# Altium PCB PCB_15122020_01CA.PcbDoc (part 2 of 5) (continued)
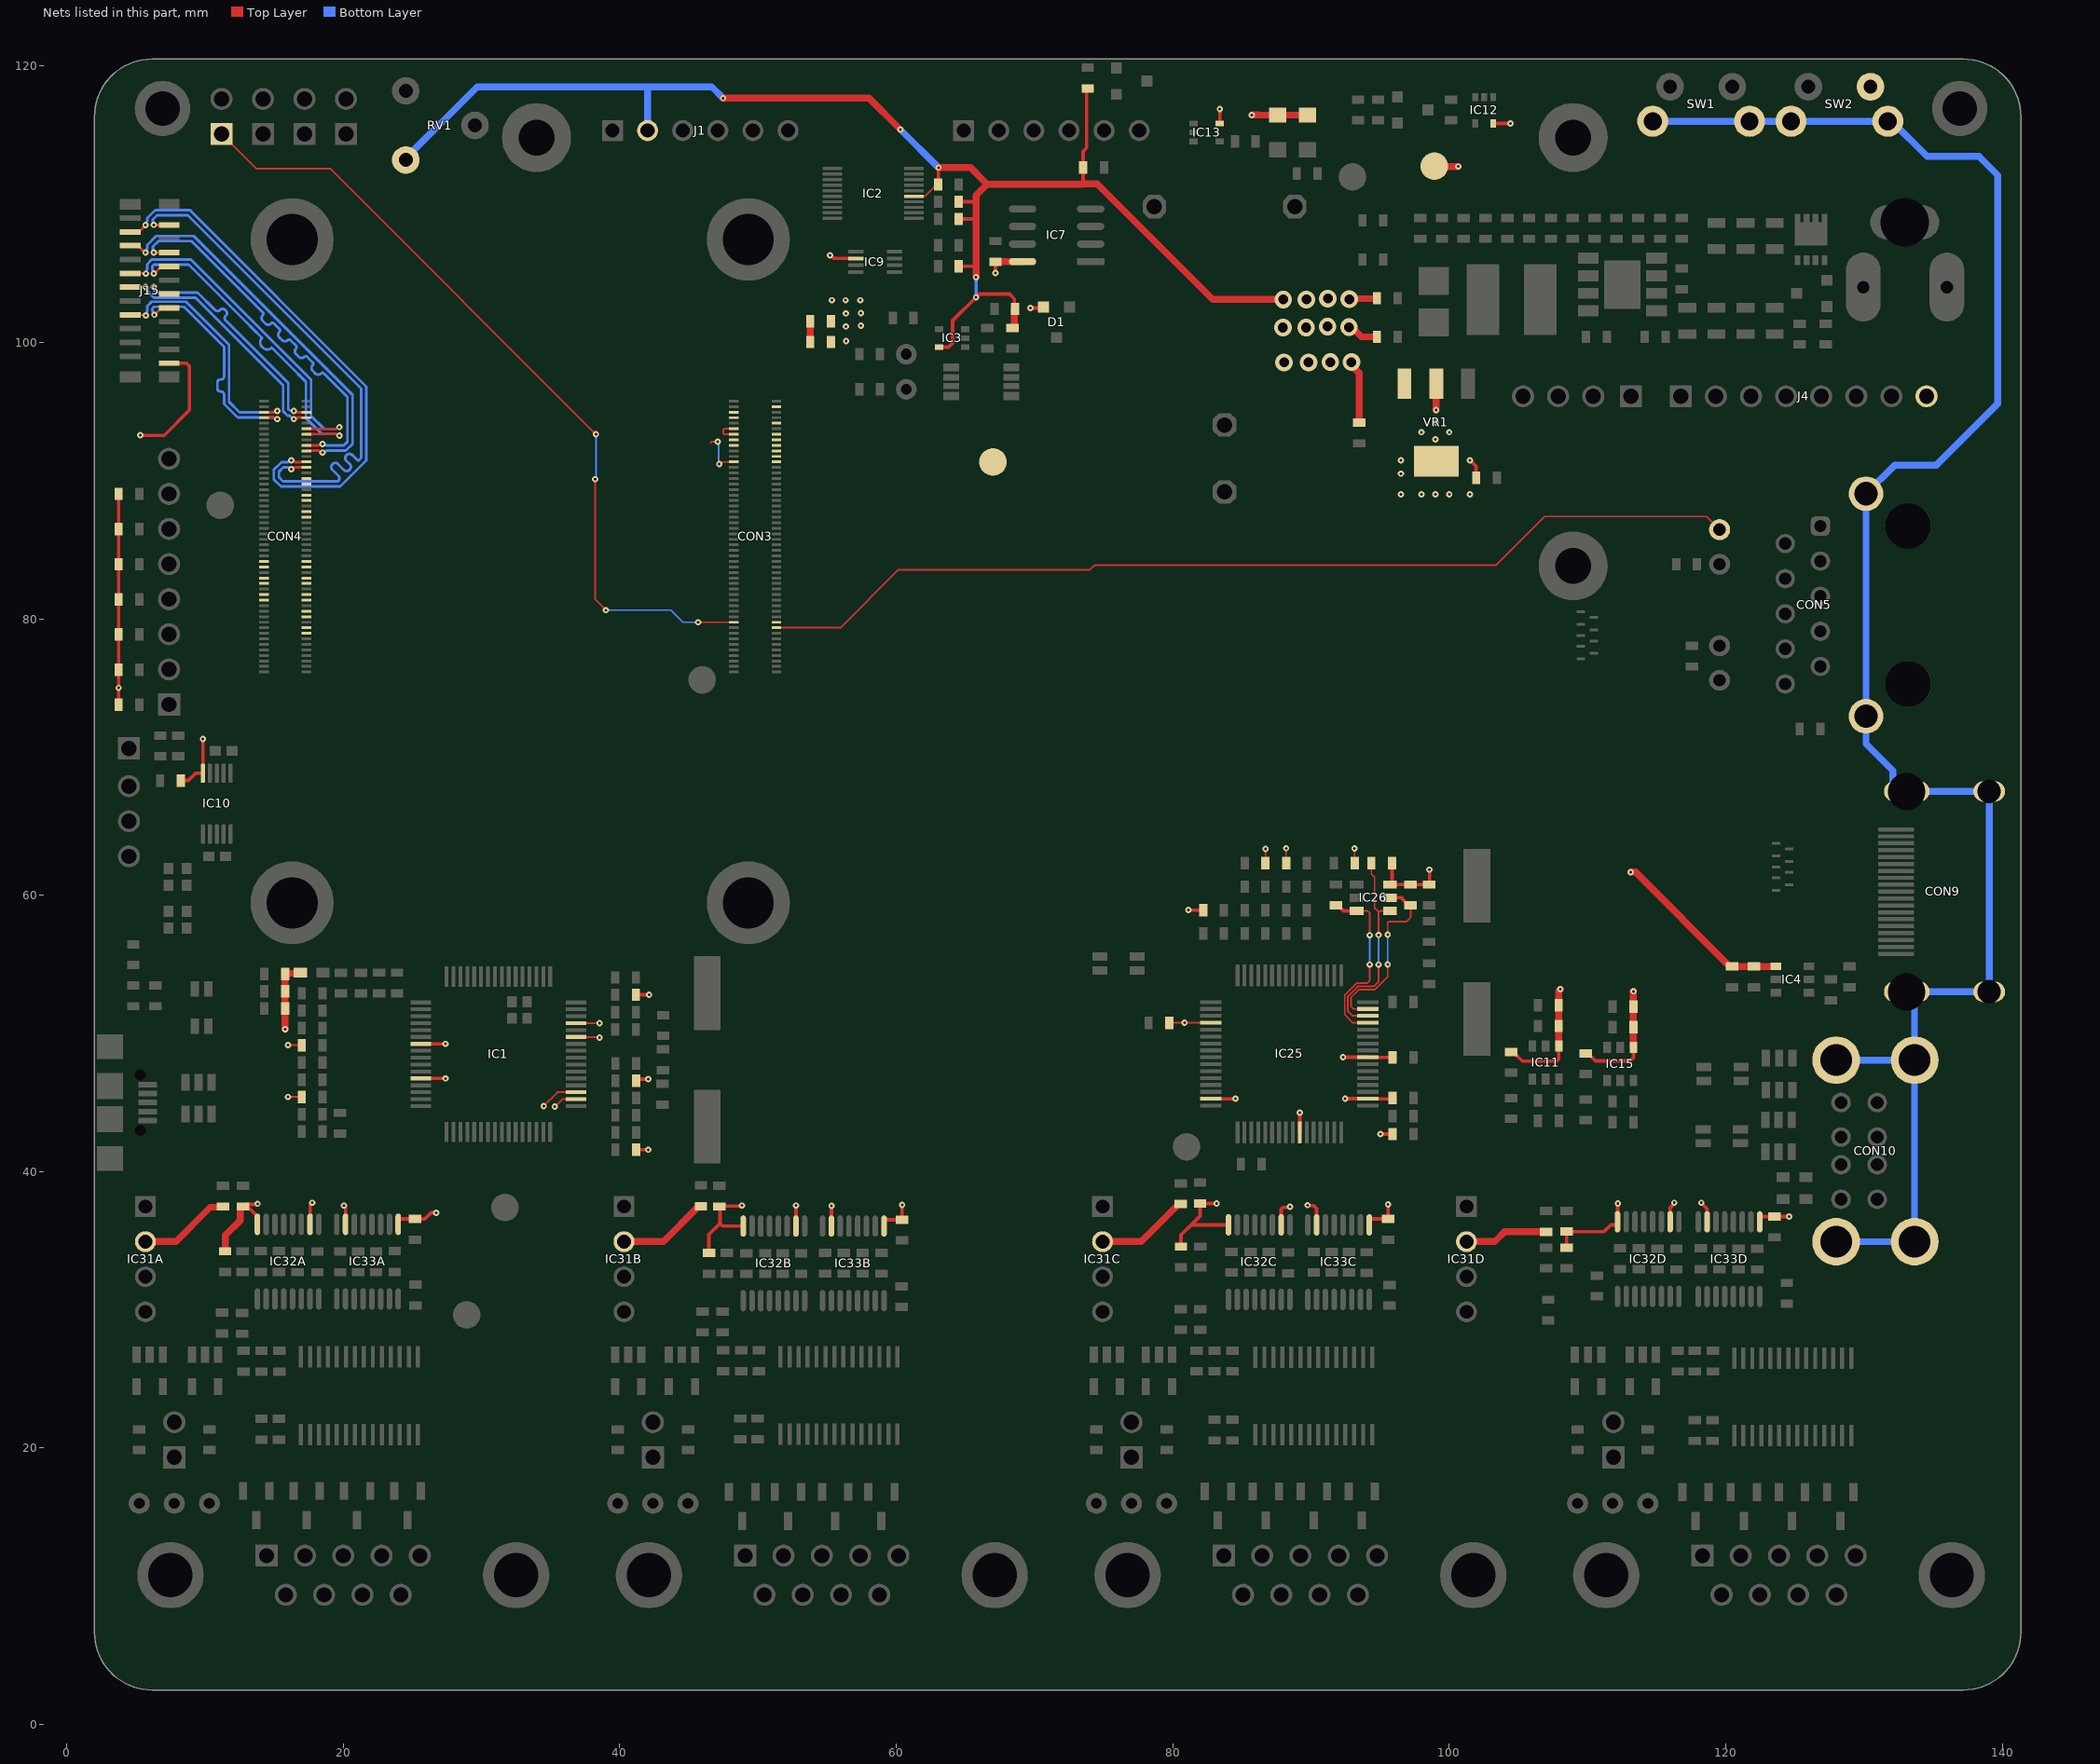
[diagram p4: the nets of this part, all layers, seen from the top]
## Part data (continued)
IC26: "MICROCHIP - 93LC46BT-I/OT - EEPROM, Microwire, 1 Kbit, 64 x 16bit, Serial Microwire, 3 MHz, SOT-23, 6 Pins", Case/Package=SOT-23, Frequency=2MHz, Manufacturer=Microchip, Max Operating Temperature=85°C, Max Supply Voltage=5.5V, Min Operating Temperature=-40°C, Min Supply Voltage=2.5V, Nominal Supply Current=2mA, Package Quantity=3000, Supplier Part Number 1=93LC46BT-I/OTCT-ND, Access Time=250ns, Category="Integrated Circuits (ICs) - Memory", ComponentLink1Description=https://datasheet.ciiva.com/1903/21749j-1903248.pdf?src-supplier=Digi-Key, ComponentLink1URL=https://datasheet.ciiva.com/1903/21749j-1903248.pdf?src-supplier=Digi-Key, ComponentLink2Description=https://datasheet.ciiva.com/41455/001085450-da-01-en-ic-eeprom-1kb-93lc46bt-i-ot-sot-23-6-mcp-41455225.pdf?src-supplier=Conrad, ComponentLink2URL=https://datasheet.ciiva.com/41455/001085450-da-01-en-ic-eeprom-1kb-93lc46bt-i-ot-sot-23-6-mcp-41455225.pdf?src-supplier=Conrad, ComponentLink3Description=https://datasheet.ciiva.com/1155/1688094-1155913.pdf?src-supplier=Element14, ComponentLink3URL=https://datasheet.ciiva.com/1155/1688094-1155913.pdf?src-supplier=Element14, ComponentLink4Description=https://datasheet.ciiva.com/22715/664718-22715194.pdf?src-supplier=Element14, ComponentLink4URL=https://datasheet.ciiva.com/22715/664718-22715194.pdf?src-supplier=Element14, ComponentLink5Description=https://datasheet.ciiva.com/9280/21749j-9280764.pdf?src-supplier=Avnet, ComponentLink5URL=https://datasheet.ciiva.com/9280/21749j-9280764.pdf?src-supplier=Avnet, ComponentLink6Description=https://datasheet.ciiva.com/14134/93lc46-abc-eng-tds-14134797.pdf?src-supplier=Distrelec, ComponentLink6URL=https://datasheet.ciiva.com/14134/93lc46-abc-eng-tds-14134797.pdf?src-supplier=Distrelec, ComponentLink7Description=https://datasheet.ciiva.com/16387/filehandler-aspxddocname-en550232-16387837.pdf?src-supplier=Future+Electronics, ComponentLink7URL=https://datasheet.ciiva.com/16387/filehandler-aspxddocname-en550232-16387837.pdf?src-supplier=Future+Electronics, Contact Plating=Tin,Matte, Density=1Kb, Height=1.3mm, Interface=Serial, Lead Free="Lead Free", Length=3.1mm, Manufacturer Part Number=93LC46BT-I/OT, Max Frequency=2MHz, Memory Size=1Kb, Memory Type=EEPROM, Mount="Surface Mount", Number of Pins=6, Packaging="Tape and Reel", Pricing 1="1 = 0,20000, 100 = 0,19000 (USD)", Radiation Hardening=No, REACH SVHC="No SVHC", RoHS=Yes, Stock 1=3299, Supplier 1=Digi-Key, Termination=SMD/SMT, Width=1.8mm
IC29A IC29B IC29C IC29D IC30A IC30B IC30C IC30D: "Inverter 1-Element CMOS 5-Pin SOT-23 T/R", Case/Package=SOT-23, High Level Output Current=-32mA, Low Level Output Current=32mA, Manufacturer="Texas Instruments", Max Operating Temperature=125°C, Max Supply Voltage=5.5V, Min Operating Temperature=-40°C, Min Supply Voltage=1.65V, Package Quantity=1, Quiescent Current=10uA, Supplier Part Number 1=296-11599-1-ND, Category="Integrated Circuits (ICs)", ComponentLink1Description=https://datasheet.ciiva.com/1864/sn74lvc1g04-1864160.pdf?src-supplier=Digi-Key, ComponentLink1URL=https://datasheet.ciiva.com/1864/sn74lvc1g04-1864160.pdf?src-supplier=Digi-Key, ComponentLink2Description=https://datasheet.ciiva.com/7783/1700972-7783424.pdf?src-supplier=Element14, ComponentLink2URL=https://datasheet.ciiva.com/7783/1700972-7783424.pdf?src-supplier=Element14, ComponentLink3Description=https://datasheet.ciiva.com/36526/2014932-36526251.pdf?src-supplier=Jameco, ComponentLink3URL=https://datasheet.ciiva.com/36526/2014932-36526251.pdf?src-supplier=Jameco, ComponentLink4Description=https://datasheet.ciiva.com/14290/sn74lvc1g04-14290295.pdf?src-supplier=Avnet, ComponentLink4URL=https://datasheet.ciiva.com/14290/sn74lvc1g04-14290295.pdf?src-supplier=Avnet, ComponentLink5Description=https://datasheet.ciiva.com/1864/sn74lvc1g04-1864158.pdf?src-supplier=Digi-Key, ComponentLink5URL=https://datasheet.ciiva.com/1864/sn74lvc1g04-1864158.pdf?src-supplier=Digi-Key, Contact Plating=Tin,Matte, Height=1.3mm, Lead Free="Lead Free", Length=3.05mm, Logic Function=Inverter,Inverting,Buffer, Manufacturer Part Number=SN74LVC1G04DBVR, Max Output Current=32mA, Mount="Surface Mount", Number of Bits=1, Number of Circuits=1, Number of Elements=1, Number of Gates=1, Number of Inputs=1, Number of Pins=5, Output Current=32mA, Packaging="Tape and Reel", Pricing 1="1 = 0,30000, 10 = 0,24700, 25 = 0,20720, 100 = 0,13110, 250 = 0,10120, 500 = 0,08624, 1000 = 0,05865 (USD)", Propagation Delay=3.7ns, Radiation Hardening=No, REACH SVHC="No SVHC", RoHS=Yes, RoHS Compliant=Yes, Schmitt Trigger Input=No, Stock 1=132873, Supplier 1=Digi-Key, Termination=SMD/SMT, Turn-On Delay Time=7.5ns, Weight=0.000557oz, Width=1.75mm
IC31A IC31B IC31C IC31D: "RECOM POWER - RFM-0505S - Isolated Board Mount DC/DC Converter, ITE & General, 1 Output, 1 W, 5 V, 200 mA", Manufacturer=Recom, Max Output Voltage=5V, Supplier Part Number 1=945-3159-ND, Category="Power Supplies - Board Mount DC-DC Converters", ComponentLink1Description=http://www.farnell.com/datasheets/2787866.pdf?src-supplier=Farnell, ComponentLink1URL=http://www.farnell.com/datasheets/2787866.pdf?src-supplier=Farnell, ComponentLink2Description=https://www.recom-power.com/pdf/Econoline/RFM.pdf?src-supplier=Digi-Key, ComponentLink2URL=https://www.recom-power.com/pdf/Econoline/RFM.pdf?src-supplier=Digi-Key, ComponentLink3Description=http://www.farnell.com/datasheets/2787866.pdf?src-supplier=Newark, ComponentLink3URL=http://www.farnell.com/datasheets/2787866.pdf?src-supplier=Newark, Height=10mm, Length=11.5mm, Manufacturer Part Number=RFM-0505S, Pricing 1="1 = 1,40000, 5 = 1,38000, 10 = 1,36000, 25 = 1,32000, 50 = 1,28000, 100 = 1,24000, 250 = 1,20000, 500 = 1,12000 (USD)", RoHS=No, Stock 1=13682, Supplier 1=Digi-Key, Weight=1.4g, Width=6mm
IC32A IC32B IC32C IC32D: "Digital Isolator CMOS 4-CH 150Mbps Automotive 16-Pin QSOP T/R", Case/Package=QSOP, Isolated Power=No, Manufacturer="Silicon Labs", Max Operating Temperature=125°C, Min Operating Temperature=-40°C, Package Quantity=2500, Supplier Part Number 1=SI8645BA-B-IURCT-ND, Category=Isolators, Channel Type=Unidirectional, ComponentLink1Description=https://datasheet.ciiva.com/15272/si864x-15272845.pdf?src-supplier=Arrow+Europe, ComponentLink1URL=https://datasheet.ciiva.com/15272/si864x-15272845.pdf?src-supplier=Arrow+Europe, ComponentLink2Description=https://datasheet.ciiva.com/8124/si864x-8124729.pdf?src-supplier=Avnet, ComponentLink2URL=https://datasheet.ciiva.com/8124/si864x-8124729.pdf?src-supplier=Avnet, Data Rate=150Mbps, Manufacturer Part Number=SI8645BA-B-IUR, Number of Channels=4, Number of Pins=16, Packaging="Tape and Reel", Pricing 1="1 = 1,64000, 25 = 1,57480, 100 = 1,55400 (USD)", Propagation Delay=13ns, Pulse Width Distortion (PWD)=4.5ns, RoHS=Yes, RoHS Compliant=Yes, Series=Si8645BA, Stock 1=4650, Supplier 1=Digi-Key, Type="General Purpose", Weight=0.002931oz
IC33A IC33B IC33C IC33D: "General Purpose tal Isolator 1000Vrms 4 Channel 150Mbps 35kV/µs CMTI 16-SSOP (0.154 , 3.90mm Width)", Case/Package=SSOP, Isolated Power=No, Manufacturer="Silicon Labs", Max Operating Temperature=125°C, Min Operating Temperature=-40°C, Supplier Part Number 1=336-4939-1-ND, Category=Isolators, Channel Type=Unidirectional, ComponentLink1Description=https://datasheet.ciiva.com/48508/si864x-48508591.pdf?src-supplier=Avnet, ComponentLink1URL=https://datasheet.ciiva.com/48508/si864x-48508591.pdf?src-supplier=Avnet, Data Rate=150Mbps, Manufacturer Part Number=SI8641BA-C-IUR, Number of Channels=4, Number of Pins=16, Packaging="Tape and Reel", Pricing 1="1 = 1,64000, 25 = 1,57480, 100 = 1,55400 (USD)", Propagation Delay=13ns, Pulse Width Distortion (PWD)=4.5ns, RoHS=Yes, Stock 1=611, Supplier 1=Digi-Key, Type="General Purpose"
J1 J2: "WR-PHD Socket Header, THT, pitch 2.54mm, Single Row, Vertical, 6pin", Contact Resistance=20mOhm, Operating Temperature="-40 to +125degC", Rated Current=3A, Withstanding Voltage=500VAC, Working Voltage=250VAC, Category="Connectors, Interconnects Rectangular Connectors", ComponentLink1Description=Manufacturer, ComponentLink1URL=http://www.we-online.de, ComponentLink2Description=Datasheet, ComponentLink2URL=https://katalog.we-online.de/em/datasheet/6130xx11821.pdf, Gender=Female, Mounting Technology=THT, Orientation=Vertical, Packaging=Tray, Part Number=61300611821, Pin Number=6, Pitch=2.54mm, Published Date="June 2019", Publisher="Wurth Elektronik", Row Number=Single
J3 J4: "WR-PHD Pin Header, THT, pitch 2.54mm, Single Row, Vertical, 8pin", Color=Black, Contact Resistance=20mOhm, Manufacturer="Wurth Electronics", Operating Temperature="-40 to +105degC", Rated Current=3A, Supplier Part Number 1=732-5321-ND, Withstanding Voltage=500VAC, Working Voltage=250VAC, Category="Connectors, Interconnects Rectangular Connectors", ComponentLink1Description=Manufacturer, ComponentLink1URL=http://www.we-online.de, ComponentLink2Description=Datasheet, ComponentLink2URL=https://katalog.we-online.de/em/datasheet/6130xx11121.pdf, ComponentLink3Description=http://www.farnell.com/cad/1737268.pdf?src-supplier=Element14, ComponentLink3URL=http://www.farnell.com/cad/1737268.pdf?src-supplier=Element14, ComponentLink4Description=https://katalog.we-online.de/em/datasheet/6130xx11121.pdf?src-supplier=Digi-Key, ComponentLink4URL=https://katalog.we-online.de/em/datasheet/6130xx11121.pdf?src-supplier=Digi-Key, Connector Type="Male Pin", Contact Material=Copper, Contact Mating Length=0.236inch, Contact Plating=Gold, Gender=Male, Manufacturer Part Number=61300811121, Mount="Through Hole", Mounting Technology=THT, Number of Contacts=8, Number of Positions=8, Number of Rows=1, Orientation=Vertical, Packaging=Bag, Part Number=61300811121, Pin Number=8, Pitch=2.54mm, Pricing 1="1 = 0,37000, 10 = 0,31500, 25 = 0,26320, 50 = 0,21900, 100 = 0,19900, 1000 = 0,18100 (USD)", Published Date="June 2019", Publisher="Wurth Elektronik", REACH SVHC=Unknown, RoHS=Yes, Row Number=Single, Stock 1=15970, Supplier 1=Digi-Key, Termination=Solder
J5 J6: "WR-PHD Pin Header, THT, pitch 2.54mm, Single Row, Vertical, 4pin", Color=Black, Contact Resistance=20mOhm, Manufacturer="Wurth Electronics", Operating Temperature="-40 to +105degC", Rated Current=3A, Supplier Part Number 1=710-61300411121, Withstanding Voltage=500VAC, Working Voltage=250VAC, Category="Connectors, Interconnects Rectangular Connectors", ComponentLink1Description=Manufacturer, ComponentLink1URL=http://www.we-online.de, ComponentLink2Description=Datasheet, ComponentLink2URL=https://katalog.we-online.de/em/datasheet/6130xx11121.pdf, ComponentLink3Description=http://www.farnell.com/cad/1737268.pdf?src-supplier=Element14, ComponentLink3URL=http://www.farnell.com/cad/1737268.pdf?src-supplier=Element14, ComponentLink4Description=https://katalog.we-online.de/em/datasheet/6130xx11121.pdf?src-supplier=Digi-Key, ComponentLink4URL=https://katalog.we-online.de/em/datasheet/6130xx11121.pdf?src-supplier=Digi-Key, Connector Type="Male Pin", Contact Material=Copper, Contact Mating Length=0.236inch, Contact Plating=Gold, Gender=Male, Lead Free="Lead Free", Manufacturer Part Number=61300411121, Mount="Through Hole", Mounting Technology=THT, Number of Contacts=4, Number of Positions=4, Number of Rows=1, Orientation=Vertical, Packaging=Bag, Part Number=61300411121, Pin Number=4, Pitch=2.54mm, Pricing 1="1 = 0,18000, 10 = 0,15300, 25 = 0,12700, 50 = 0,10600, 100 = 0,09600, 250 = 0,09600 (USD)", Published Date="June 2019", Publisher="Wurth Elektronik", REACH SVHC=Unknown, RoHS=Yes, Row Number=Single, Stock 1=12652, Supplier 1=Mouser, Termination=Solder
J12A J12B J12C J12D J16 J17 J18 J19: "WR-PHD Pin Header, THT, pitch 2.54mm, Single Row, Vertical, 2pin", Color=Black, Contact Resistance=20mOhm, Current Rating=3A, Manufacturer="Wurth Electronics", Max Operating Temperature=125°C, Min Operating Temperature=-40°C, Operating Temperature="-40 to +105degC", Supplier Part Number 1=732-5315-ND, Voltage Rating=250V, Withstanding Voltage=500VAC, Working Voltage=250VAC, Category="Connectors, Interconnects Rectangular Connectors", ComponentLink1Description=Manufacturer, ComponentLink1URL=http://www.we-online.de, ComponentLink2Description=Datasheet, ComponentLink2URL=https://katalog.we-online.de/em/datasheet/6130xx11121.pdf, ComponentLink3Description=https://datasheet.ciiva.com/13619/6130xx11121-48870-13619345.pdf?src-supplier=Mouser, ComponentLink3URL=https://datasheet.ciiva.com/13619/6130xx11121-48870-13619345.pdf?src-supplier=Mouser, Connector Type="Male Pin", Contact Gender=Male, Contact Material="Copper Alloy,Copper", Contact Mating Length=0.236inch, Contact Plating=Gold, Gender=Male, Housing Material=PBT, Lead Free="Lead Free", Manufacturer Part Number=61300211121, Mount="Through Hole", Mounting Technology=THT, Number of Contacts=2, Number of Positions=2, Number of Rows=1, Orientation=Vertical, Packaging=Bag, Part Number=61300211121, Pin Number=2, Pitch=2.54mm, Pricing 1="1 = 0,13000, 10 = 0,10600, 25 = 0,08800, 50 = 0,07400, 100 = 0,06700, 1000 = 0,06100 (USD)", Published Date="June 2019", Publisher="Wurth Elektronik", Rated Current=3A, REACH SVHC=Unknown, RoHS=Yes, Row Number=Single, Stock 1=150487, Supplier 1=Digi-Key, Termination="Through Hole"
J15: "WR-FPC SMT ZIF Vertical, pitch 0.5mm, 22p", Contact Resistance=20mOhm, Manufacturer="Wurth Elektronik", Operating Temperature="-25 to +85degC", Rated Current=0.5A, Working Voltage=50VAC, Category="WR-FPC SMT ZIF Vertical, pitch 0.5mm, 22p", ComponentLink1Description=Manufacturer, ComponentLink1URL=http://www.we-online.de, ComponentLink2Description=Datasheet, ComponentLink2URL=https://katalog.we-online.com/em/datasheet/687322124422.pdf, Length=17.4mm, Mounting Technology=SMT, Packaging="Tape and Reel", Part Number=687322124422, Pin Number=22, Pitch=0.5mm, Published Date="November 2019", Publisher="Wurth Elektronik", Type=Vertical
L1: "BOURNS - SRN6045TA-3R3Y - Power Inductor (SMD), 3.3 µH, 5 A, Semishielded, 7.8 A, SRN6045TA Series, 6mm x 6mm x 4.2mm", DC Resistance (DCR)=21mR, Inductance=3.3uH, Inductance Tolerance=30%, Manufacturer=Bourns, RMS Current (Irms)=5A, Saturation Current=7.8A, Supplier Part Number 1=SRN6045TA-3R3YCT-ND, Category="Inductors, Coils, Chokes Fixed Inductors", ComponentLink1Description=http://www.farnell.com/datasheets/2647414.pdf?src-supplier=Farnell, ComponentLink1URL=http://www.farnell.com/datasheets/2647414.pdf?src-supplier=Farnell, ComponentLink2Description=http://www.farnell.com/datasheets/2113223.pdf?src-supplier=Element14, ComponentLink2URL=http://www.farnell.com/datasheets/2113223.pdf?src-supplier=Element14, ComponentLink3Description=https://www.bourns.com/docs/Product-Datasheets/SRN6045TA.pdf?src-supplier=Digi-Key, ComponentLink3URL=https://www.bourns.com/docs/Product-Datasheets/SRN6045TA.pdf?src-supplier=Digi-Key, ComponentLink4Description=http://www.farnell.com/datasheets/2647414.pdf?src-supplier=Newark, ComponentLink4URL=http://www.farnell.com/datasheets/2647414.pdf?src-supplier=Newark, Manufacturer Part Number=SRN6045TA-3R3Y, Mount="Surface Mount", Packaging="Cut Tape", Pricing 1="1000 = 0,18970, 2000 = 0,17920, 2000 = 0,37000, 20000 = 0,34830, 200000 = 0,22370, 1000000 = 0,16230, 2000000 = 0,16190 (USD)", REACH SVHC="No SVHC", RoHS=No, Stock 1=3000, Supplier 1=Digi-Key
LED1 LED2: "LED RED CLEAR SMD", Case/Package=0805, Case Code (Metric)=2012, Color=Red, Forward Current=30mA, Forward Voltage=2V, Lens Color=Colorless, Manufacturer="Vishay Lite-On", Max Operating Temperature=85°C, Min Operating Temperature=-55°C, Package Quantity=3000, Power Dissipation=75mW, Reverse Voltage=5V, Supplier Part Number 1=160-1427-1-ND, Test Current=20mA, Case Code (Imperial)=0805, Category="LED Indication", ComponentLink1Description=https://datasheet.ciiva.com/12403/lite-on-ltst-c171krkt-187201-12403781.pdf?src-supplier=Mouser, ComponentLink1URL=https://datasheet.ciiva.com/12403/lite-on-ltst-c171krkt-187201-12403781.pdf?src-supplier=Mouser, ComponentLink2Description=https://datasheet.ciiva.com/11775/0900766b80dc0299-11775643.pdf?src-supplier=RSComponents, ComponentLink2URL=https://datasheet.ciiva.com/11775/0900766b80dc0299-11775643.pdf?src-supplier=RSComponents, ComponentLink3Description=https://datasheet.ciiva.com/16444/lite-on20ltst-c171krkt-16444779.pdf?src-supplier=Future+Electronics, ComponentLink3URL=https://datasheet.ciiva.com/16444/lite-on20ltst-c171krkt-16444779.pdf?src-supplier=Future+Electronics, ComponentLink4Description=https://datasheet.ciiva.com/2110/s-110-ltst-c171krkt-2110066.pdf?src-supplier=Digi-Key, ComponentLink4URL=https://datasheet.ciiva.com/2110/s-110-ltst-c171krkt-2110066.pdf?src-supplier=Digi-Key, ComponentLink5Description=https://datasheet.ciiva.com/2110/s-110-ltst-c171krkt-2110067.pdf?src-supplier=Digi-Key, ComponentLink5URL=https://datasheet.ciiva.com/2110/s-110-ltst-c171krkt-2110067.pdf?src-supplier=Digi-Key, ComponentLink6Description=https://datasheet.ciiva.com/2110/s-110-ltst-c171krkt-2110068.pdf?src-supplier=Digi-Key, ComponentLink6URL=https://datasheet.ciiva.com/2110/s-110-ltst-c171krkt-2110068.pdf?src-supplier=Digi-Key, Depth=1.25mm, Dominant Wavelength=631nm, Height=0.8mm, Illumination Color=Red, Lead Free="Lead Free", Length=2mm, Lens Style=Diffused, Lens Transparency=Clear, Luminous Intensity=54mcd, Manufacturer Part Number=LTST-C171KRKT, Mount="Surface Mount", Number of Elements=1, Number of LEDs=1, Number of Pins=2, Packaging="Tape and Reel", Power Rating=75mW, Pricing 1="1 = 0,31000, 10 = 0,22500, 25 = 0,16560, 100 = 0,11830, 250 = 0,08040, 500 = 0,07096, 1000 = 0,05558 (USD)", Radiation Hardening=No, RoHS=Yes, Stock 1=137075, Supplier 1=Digi-Key, Viewing Angle=130°, Wavelength=639nm, Width=1.25mm
LED3A LED3B LED3C LED3D: "LED 3MM RED, GREEN R:30mcd, G:60mcd 40°", Manufacturer="STRONG BASE", Category=Led, Supplier 1=Özdisan, Supplier Part Number 1=3RG9HC-1
LOGO1: "ESD LOGO", Category=Logo
LOGO2: "Etiket kutu", Category=Logo
Mech1 Mech2 Mech3 Mech4: "RND STNDFF M2.5X0.45 STEEL 1.5MM", Manufacturer="Wurth Electronics", Supplier Part Number 1=732-7068-1-ND, Category="Hardware, Fasteners, Accessories Board Spacers, Standoffs", ComponentLink1Description=http://www.mouser.com/ds/2/445/9774015151R-611426.pdf?src-supplier=Mouser, ComponentLink1URL=http://www.mouser.com/ds/2/445/9774015151R-611426.pdf?src-supplier=Mouser, ComponentLink2Description=http://www.farnell.com/datasheets/1960360.pdf?src-supplier=Farnell, ComponentLink2URL=http://www.farnell.com/datasheets/1960360.pdf?src-supplier=Farnell, ComponentLink3Description=https://media.digikey.com/pdf/Data%20Sheets/Wurth%20Electronics%20PDFs/WA-SMSx_Performance_Flyer.pdf?src-supplier=Digi-Key, ComponentLink3URL=https://media.digikey.com/pdf/Data%20Sheets/Wurth%20Electronics%20PDFs/WA-SMSx_Performance_Flyer.pdf?src-supplier=Digi-Key, ComponentLink4Description=http://www.farnell.com/datasheets/1960360.pdf?src-supplier=Element14, ComponentLink4URL=http://www.farnell.com/datasheets/1960360.pdf?src-supplier=Element14, ComponentLink5Description=http://www.farnell.com/datasheets/1960360.pdf?src-supplier=Newark, ComponentLink5URL=http://www.farnell.com/datasheets/1960360.pdf?src-supplier=Newark, Length=0.114inch, Manufacturer Part Number=9774015151R, Material=Steel, Outside Diameter=0.201inch, Plating=Tin, Pricing 1="1 = 1,09000, 10 = 1,03000, 50 = 0,91800, 100 = 0,84000, 500 = 0,78400 (USD)", REACH SVHC=Unknown, RoHS=Yes, Stock 1=20988, Supplier 1=Digi-Key, Threaded/Unthreaded=Threaded
Mech5 Mech6: "WR-PHD Pin Header, THT, pitch 2.54mm, Single Row, Vertical, 6pin", Contact Resistance=20mOhm, Operating Temperature="-40 to +105degC", Rated Current=3A, Withstanding Voltage=500VAC, Working Voltage=250VAC, Category=PinHeader, ComponentLink1Description=Manufacturer, ComponentLink1URL=http://www.we-online.de, ComponentLink2Description=Datasheet, ComponentLink2URL=https://katalog.we-online.de/em/datasheet/6130xx11121.pdf, Gender=Male, Mounting Technology=THT, Orientation=Vertical, Packaging=Bag, Part Number=61300611121, Pin Number=6, Pitch=2.54mm, Published Date="June 2019", Publisher="Wurth Elektronik", Row Number=Single
Mech7 Mech8 Mech9: "M2.5 x 16 YSB Vida", Category=Mechanical
Mech11 Mech12 Mech13: "Distance 2.5mmx11mm", Category=Mechanical
PAD1 PAD2 PAD3: library part "2.5mm x 5mm PAD", "5mm x 2.5mm Pad", Category=Pad
R1: library part RC0603FR-0710RL, "10R ,%1 ,1/10 W ,0603", Case/Package=0603, Case Code (Metric)=1608, Manufacturer=Yageo, Max Operating Temperature=155°C, Min Operating Temperature=-55°C, Power Rating=100mW, Resistor Type="Thick Film", Supplier Part Number 1=311-10.0HRCT-ND, Temperature Coefficient=200ppm/°C, Tolerance=1%, Voltage Rating=50V, Case Code (Imperial)=0603, Category=Resistor, ComponentLink1Description=https://datasheet.ciiva.com/11808/0900766b80f96399-11808140.pdf?src-supplier=RSComponents, ComponentLink1URL=https://datasheet.ciiva.com/11808/0900766b80f96399-11808140.pdf?src-supplier=RSComponents, ComponentLink2Description=https://datasheet.ciiva.com/7746/443971-7746245.pdf?src-supplier=Element14, ComponentLink2URL=https://datasheet.ciiva.com/7746/443971-7746245.pdf?src-supplier=Element14, ComponentLink3Description=https://datasheet.ciiva.com/8891/pyu-rc0603-51-rohs-l-4-8891285.pdf?src-supplier=Avnet, ComponentLink3URL=https://datasheet.ciiva.com/8891/pyu-rc0603-51-rohs-l-4-8891285.pdf?src-supplier=Avnet, ComponentLink4Description=https://datasheet.ciiva.com/28386/pyu-rc0603-51-rohs-l-4-28386637.pdf?src-supplier=Avnet+Europe, ComponentLink4URL=https://datasheet.ciiva.com/28386/pyu-rc0603-51-rohs-l-4-28386637.pdf?src-supplier=Avnet+Europe, Contact Plating=Tin,Matte, Depth=0.8mm, Height=0.45mm, Lead Free="Lead Free", Length=1.6mm, Manufacturer Part Number=RC0603FR-0710RL, Military Standard=Not, Number of Pins=2, Packaging="Tape and Reel", Pricing 1="1 = 0,10000, 10 = 0,04100, 100 = 0,01690, 1000 = 0,00758, 2500 = 0,00658 (USD)", Radiation Hardening=No, REACH SVHC="No SVHC", Resistance=10R, RoHS=Yes, Stock 1=7663236, Supplier 1=Digi-Key, Termination=SMD/SMT, Voltage Rating (DC)=50V, Width=0.8mm
R2 R3 R5 R17 R59 R60 R61 R65: library part RC0603FR-0747KL, "47K, 50V, 1/10W, 1%, 0603", Case/Package=0603, Case Code (Metric)=1608, Manufacturer=Yageo, Max Operating Temperature=155°C, Max Power Dissipation=100mW, Min Operating Temperature=-55°C, Package Quantity=1, Resistance=47kR, Resistor Type="Thick Film", Supplier Part Number 1=311-47.0KHRCT-ND, Temperature Coefficient=100ppm/°C, Tolerance=1%, Voltage Rating=50V, Case Code (Imperial)=0603, Category=Resistor, ComponentLink1Description=https://datasheet.ciiva.com/11808/0900766b80f96399-11808118.pdf?src-supplier=RSComponents, ComponentLink1URL=https://datasheet.ciiva.com/11808/0900766b80f96399-11808118.pdf?src-supplier=RSComponents, ComponentLink2Description=https://datasheet.ciiva.com/7746/443971-7746361.pdf?src-supplier=Element14, ComponentLink2URL=https://datasheet.ciiva.com/7746/443971-7746361.pdf?src-supplier=Element14, ComponentLink3Description=https://datasheet.ciiva.com/7746/443971-7746362.pdf?src-supplier=Element14, ComponentLink3URL=https://datasheet.ciiva.com/7746/443971-7746362.pdf?src-supplier=Element14, ComponentLink4Description=https://datasheet.ciiva.com/2453/pyu-r-int-thick-7-2453931.pdf?src-supplier=Digi-Key, ComponentLink4URL=https://datasheet.ciiva.com/2453/pyu-r-int-thick-7-2453931.pdf?src-supplier=Digi-Key, ComponentLink5Description=https://datasheet.ciiva.com/2453/pyu-r-int-thick-7-2453932.pdf?src-supplier=Digi-Key, ComponentLink5URL=https://datasheet.ciiva.com/2453/pyu-r-int-thick-7-2453932.pdf?src-supplier=Digi-Key, ComponentLink6Description=https://datasheet.ciiva.com/2453/pyu-r-int-thick-7-2453933.pdf?src-supplier=Digi-Key, ComponentLink6URL=https://datasheet.ciiva.com/2453/pyu-r-int-thick-7-2453933.pdf?src-supplier=Digi-Key, Depth=0.8mm, Features="Moisture Resistant", Height=0.022inch, Lead Free="Lead Free", Length=1.6mm, Manufacturer Part Number=RC0603FR-0747KL, Military Standard=Not, Number of Pins=2, Number of Terminations=2, Packaging="Tape and Reel", Power Rating=100mW, Pricing 1="1 = 0,10000, 10 = 0,02100, 100 = 0,00840, 1000 = 0,00379, 2500 = 0,00329 (USD)", REACH SVHC=Unknown, RoHS=Yes, Stock 1=4802381, Supplier 1=Digi-Key, Termination=SMD/SMT, Voltage Rating (DC)=50V, Width=0.031inch
R4 R77 R110: library part RC0603FR-07100KL, "100K Ohm 1% 1/10W 0603", Case/Package=0603, Case Code (Metric)=1608, Manufacturer=Yageo, Max Operating Temperature=155°C, Min Operating Temperature=-55°C, Power Rating=100mW, Resistance=100kR, Resistor Type="Thick Film", Supplier Part Number 1=311-100KHRCT-ND, Temperature Coefficient=100ppm/°C, Tolerance=1%, Voltage Rating=50V, Working Voltage=75V, Case Code (Imperial)=0603, Category=Resistor, ComponentLink1Description=https://datasheet.ciiva.com/11808/0900766b80f96399-11808107.pdf?src-supplier=RSComponents, ComponentLink1URL=https://datasheet.ciiva.com/11808/0900766b80f96399-11808107.pdf?src-supplier=RSComponents, ComponentLink2Description=https://datasheet.ciiva.com/7983/443971-7983593.pdf?src-supplier=Element14, ComponentLink2URL=https://datasheet.ciiva.com/7983/443971-7983593.pdf?src-supplier=Element14, ComponentLink3Description=https://datasheet.ciiva.com/46440/1868787-46440889.pdf?src-supplier=Element14, ComponentLink3URL=https://datasheet.ciiva.com/46440/1868787-46440889.pdf?src-supplier=Element14, ComponentLink4Description=https://datasheet.ciiva.com/7746/1738695-7746234.pdf?src-supplier=Element14, ComponentLink4URL=https://datasheet.ciiva.com/7746/1738695-7746234.pdf?src-supplier=Element14, ComponentLink5Description=https://datasheet.ciiva.com/7746/1738695-7746235.pdf?src-supplier=Element14, ComponentLink5URL=https://datasheet.ciiva.com/7746/1738695-7746235.pdf?src-supplier=Element14, ComponentLink6Description=https://datasheet.ciiva.com/22747/443971-22747516.pdf?src-supplier=Element14, ComponentLink6URL=https://datasheet.ciiva.com/22747/443971-22747516.pdf?src-supplier=Element14, Depth=0.8mm, Height=0.45mm, Lead Free="Lead Free", Length=1.6mm, Manufacturer Part Number=RC0603FR-07100KL, Military Standard=Not, Number of Pins=2, Number of Terminations=2, Packaging="Tape and Reel", Pricing 1="1 = 0,10000, 10 = 0,02100, 100 = 0,00840, 1000 = 0,00379, 2500 = 0,00329 (USD)", REACH SVHC="No SVHC", RoHS=Yes, Stock 1=10054915, Supplier 1=Digi-Key, Termination=SMD/SMT, Voltage Rating (DC)=50V, Width=0.8mm
R6: library part RC0603FR-074K7L, "4K7 ,%1 ,1/10 W ,0603", Case/Package=0603, Case Code (Metric)=1608, Manufacturer=Yageo, Max Operating Temperature=155°C, Min Operating Temperature=-55°C, Power Rating=100mW, Resistance=4.7kR, Resistor Type="Thick Film", Supplier Part Number 1=311-4.70KHRCT-ND, Temperature Coefficient=100ppm/°C, Tolerance=1%, Voltage Rating=50V, Case Code (Imperial)=0603, Category=Resistor, ComponentLink1Description=https://datasheet.ciiva.com/15189/getdatasheetpartid-422754-15189760.pdf?src-supplier=Verical, ComponentLink1URL=https://datasheet.ciiva.com/15189/getdatasheetpartid-422754-15189760.pdf?src-supplier=Verical, ComponentLink2Description=https://datasheet.ciiva.com/22747/443971-22747528.pdf?src-supplier=Element14, ComponentLink2URL=https://datasheet.ciiva.com/22747/443971-22747528.pdf?src-supplier=Element14, ComponentLink3Description=https://datasheet.ciiva.com/7660/38590-7660794.pdf?src-supplier=Element14, ComponentLink3URL=https://datasheet.ciiva.com/7660/38590-7660794.pdf?src-supplier=Element14, ComponentLink4Description=https://datasheet.ciiva.com/7746/1868787-7746365.pdf?src-supplier=Element14, ComponentLink4URL=https://datasheet.ciiva.com/7746/1868787-7746365.pdf?src-supplier=Element14, ComponentLink5Description=https://datasheet.ciiva.com/46440/1868787-46440909.pdf?src-supplier=Element14, ComponentLink5URL=https://datasheet.ciiva.com/46440/1868787-46440909.pdf?src-supplier=Element14, ComponentLink6Description=https://datasheet.ciiva.com/7746/1738695-7746366.pdf?src-supplier=Element14, ComponentLink6URL=https://datasheet.ciiva.com/7746/1738695-7746366.pdf?src-supplier=Element14, Depth=0.8mm, Height=0.45mm, Lead Free="Lead Free", Lead Pitch=0.3mm, Length=1.6mm, Manufacturer Part Number=RC0603FR-074K7L, Military Standard=Not, Number of Pins=2, Packaging="Tape and Reel", Pricing 1="1 = 0,10000, 10 = 0,02100, 100 = 0,00840, 1000 = 0,00379, 2500 = 0,00329 (USD)", REACH SVHC="No SVHC", RoHS=Yes, Stock 1=5021901, Supplier 1=Digi-Key, Termination=SMD/SMT, Voltage Rating (DC)=50V, Width=0.8mm
R7 R8 R9 R10 R11 R12 R13 R16 R28 R30 R45 R67 R70 R72 R112 R113 R114 R115: library part RT0603FRE0710KL, "10K OHM 1% 1/10W 0603", Case/Package=0603, Case Code (Metric)=1608, Manufacturer=Yageo, Max Operating Temperature=125°C, Max Power Dissipation=100mW, Min Operating Temperature=-55°C, Package Quantity=5000, Resistance=10kR, Resistor Type="Thin Film", Supplier Part Number 1=YAG2321CT-ND, Temperature Coefficient=50ppm/°C, Tolerance=1%, Voltage Rating=75V, Case Code (Imperial)=0603, Category=Resistor, ComponentLink1Description=https://datasheet.ciiva.com/2559/pyu-rt-1-to-0-05-rohs-l-5-2559482.pdf?src-supplier=Digi-Key, ComponentLink1URL=https://datasheet.ciiva.com/2559/pyu-rt-1-to-0-05-rohs-l-5-2559482.pdf?src-supplier=Digi-Key, ComponentLink2Description=https://datasheet.ciiva.com/16745/pyu-rt-1-to-0-05-rohs-l-4-16745739.pdf?src-supplier=Future+Electronics, ComponentLink2URL=https://datasheet.ciiva.com/16745/pyu-rt-1-to-0-05-rohs-l-4-16745739.pdf?src-supplier=Future+Electronics, ComponentLink3Description=https://datasheet.ciiva.com/12694/pyu-rt-1-to-0-05-rohs-l-4-12694910.pdf?src-supplier=Mouser, ComponentLink3URL=https://datasheet.ciiva.com/12694/pyu-rt-1-to-0-05-rohs-l-4-12694910.pdf?src-supplier=Mouser, Contact Plating=Tin,Lead, Depth=0.8mm, Features="Moisture Resistant", Height=0.022inch, Lead Free="Lead Free", Length=0.063inch, Manufacturer Part Number=RT0603FRE0710KL, Military Standard=Not, Number of Pins=2, Number of Terminations=2, Packaging="Tape and Reel", Power Rating=100mW, Pricing 1="1 = 0,10000, 10 = 0,05600, 100 = 0,02270, 1000 = 0,01020, 2500 = 0,00886 (USD)", REACH SVHC=Unknown, RoHS=Yes, Stock 1=326134, Supplier 1=Digi-Key, Termination=SMD/SMT, Voltage Rating (DC)=75V, Width=0.031inch
R14 R15: library part RC0603FR-07510KL, "510K, 1%, 1/10W, 0603", Case/Package=0603, Case Code (Metric)=1608, Manufacturer=Yageo, Max Operating Temperature=155°C, Max Power Dissipation=100mW, Min Operating Temperature=-55°C, Package Quantity=1, Resistance=510kR, Resistor Type="Thick Film", Supplier Part Number 1=311-510KHRCT-ND, Temperature Coefficient=100ppm/°C, Tolerance=1%, Voltage Rating=50V, Case Code (Imperial)=0603, Category=Resistor, ComponentLink1Description=https://datasheet.ciiva.com/12555/rc0603-272842-12555383.pdf?src-supplier=Mouser, ComponentLink1URL=https://datasheet.ciiva.com/12555/rc0603-272842-12555383.pdf?src-supplier=Mouser, ComponentLink2Description=https://datasheet.ciiva.com/2454/pyu-r-int-thick-7-2454984.pdf?src-supplier=Digi-Key, ComponentLink2URL=https://datasheet.ciiva.com/2454/pyu-r-int-thick-7-2454984.pdf?src-supplier=Digi-Key, ComponentLink3Description=https://datasheet.ciiva.com/2454/pyu-r-int-thick-7-2454985.pdf?src-supplier=Digi-Key, ComponentLink3URL=https://datasheet.ciiva.com/2454/pyu-r-int-thick-7-2454985.pdf?src-supplier=Digi-Key, ComponentLink4Description=https://datasheet.ciiva.com/2454/pyu-r-int-thick-7-2454986.pdf?src-supplier=Digi-Key, ComponentLink4URL=https://datasheet.ciiva.com/2454/pyu-r-int-thick-7-2454986.pdf?src-supplier=Digi-Key, Depth=0.8mm, Features="Moisture Resistant", Height=0.022inch, Lead Free="Lead Free", Length=1.6mm, Manufacturer Part Number=RC0603FR-07510KL, Military Standard=Not, Number of Terminations=2, Packaging="Tape and Reel", Power Rating=100mW, Pricing 1="1 = 0,10000, 10 = 0,02100, 100 = 0,00840, 1000 = 0,00379, 2500 = 0,00329 (USD)", RoHS=Yes, Stock 1=184765, Supplier 1=Digi-Key, Termination=SMD/SMT, Voltage Rating (DC)=50V, Width=0.8mm
R18: library part RC0603FR-07200KL, "200K, %1, 1/10W, 0603", Case/Package=0603, Case Code (Metric)=1608, Manufacturer=Yageo, Max Operating Temperature=155°C, Max Power Dissipation=100mW, Min Operating Temperature=-55°C, Package Quantity=1, Resistance=200kR, Resistor Type="Thick Film", Supplier Part Number 1=311-200KHRCT-ND, Temperature Coefficient=100ppm/°C, Tolerance=1%, Voltage Rating=50V, Case Code (Imperial)=0603, Category=Resistor, ComponentLink1Description=https://datasheet.ciiva.com/2453/pyu-r-int-thick-7-2453958.pdf?src-supplier=Digi-Key, ComponentLink1URL=https://datasheet.ciiva.com/2453/pyu-r-int-thick-7-2453958.pdf?src-supplier=Digi-Key, ComponentLink2Description=https://datasheet.ciiva.com/2453/pyu-r-int-thick-7-2453959.pdf?src-supplier=Digi-Key, ComponentLink2URL=https://datasheet.ciiva.com/2453/pyu-r-int-thick-7-2453959.pdf?src-supplier=Digi-Key, ComponentLink3Description=https://datasheet.ciiva.com/2453/pyu-r-int-thick-7-2453960.pdf?src-supplier=Digi-Key, ComponentLink3URL=https://datasheet.ciiva.com/2453/pyu-r-int-thick-7-2453960.pdf?src-supplier=Digi-Key, Depth=0.8mm, Features="Moisture Resistant", Height=0.022inch, Lead Free="Lead Free", Length=1.6mm, Manufacturer Part Number=RC0603FR-07200KL, Military Standard=Not, Number of Pins=2, Number of Terminations=2, Packaging="Tape and Reel", Power Rating=100mW, Pricing 1="1 = 0,10000, 10 = 0,02100, 100 = 0,00840, 1000 = 0,00379, 2500 = 0,00329 (USD)", REACH SVHC="No SVHC", RoHS=Yes, Stock 1=1261743, Supplier 1=Digi-Key, Termination=SMD/SMT, Voltage Rating (DC)=50V, Width=0.031inch
R19 R20 R31 R104 R108: library part RC0603FR-072K2L, "2K2, 1%, 0.1W, 0603", Case/Package=0603, Case Code (Metric)=1608, Manufacturer=Yageo, Max Operating Temperature=155°C, Max Power Dissipation=100mW, Min Operating Temperature=-55°C, Package Quantity=1, Resistance=2.2kR, Resistor Type="Thick Film", Supplier Part Number 1=311-2.20KHRCT-ND, Temperature Coefficient=100ppm/°C, Tolerance=1%, Voltage Rating=50V, Case Code (Imperial)=0603, Category=Resistor, ComponentLink1Description=https://datasheet.ciiva.com/46440/1868787-46440902.pdf?src-supplier=Element14, ComponentLink1URL=https://datasheet.ciiva.com/46440/1868787-46440902.pdf?src-supplier=Element14, ComponentLink2Description=https://datasheet.ciiva.com/2453/pyu-r-int-thick-7-2453943.pdf?src-supplier=Digi-Key, ComponentLink2URL=https://datasheet.ciiva.com/2453/pyu-r-int-thick-7-2453943.pdf?src-supplier=Digi-Key, ComponentLink3Description=https://datasheet.ciiva.com/7660/1868787-7660791.pdf?src-supplier=Element14, ComponentLink3URL=https://datasheet.ciiva.com/7660/1868787-7660791.pdf?src-supplier=Element14, ComponentLink4Description=https://datasheet.ciiva.com/2453/pyu-r-int-thick-7-2453944.pdf?src-supplier=Digi-Key, ComponentLink4URL=https://datasheet.ciiva.com/2453/pyu-r-int-thick-7-2453944.pdf?src-supplier=Digi-Key, ComponentLink5Description=https://datasheet.ciiva.com/2453/pyu-r-int-thick-7-2453945.pdf?src-supplier=Digi-Key, ComponentLink5URL=https://datasheet.ciiva.com/2453/pyu-r-int-thick-7-2453945.pdf?src-supplier=Digi-Key, ComponentLink6Description=https://datasheet.ciiva.com/7746/1738695-7746315.pdf?src-supplier=Element14, ComponentLink6URL=https://datasheet.ciiva.com/7746/1738695-7746315.pdf?src-supplier=Element14, ComponentLink7Description=https://datasheet.ciiva.com/7746/1738695-7746316.pdf?src-supplier=Element14, ComponentLink7URL=https://datasheet.ciiva.com/7746/1738695-7746316.pdf?src-supplier=Element14, ComponentLink8Description=https://datasheet.ciiva.com/46394/443971-46394958.pdf?src-supplier=Element14, ComponentLink8URL=https://datasheet.ciiva.com/46394/443971-46394958.pdf?src-supplier=Element14, Depth=0.8mm, Features="Moisture Resistant", Height=0.022inch, Lead Free="Lead Free", Length=1.6mm, Manufacturer Part Number=RC0603FR-072K2L, Military Standard=Not, Number of Terminations=2, Packaging="Tape and Reel", Power Rating=100mW, Pricing 1="1 = 0,100000, 10 = 0,021000, 100 = 0,008400, 1000 = 0,003790, 2500 = 0,003290 (USD)", REACH SVHC="No SVHC", RoHS=Yes, Stock 1=5062372, Supplier 1=Digi-Key, Termination=SMD/SMT, Width=0.031inch